# KiCad board 1999_Dodge_Dakota.kicad_pcb (continued)
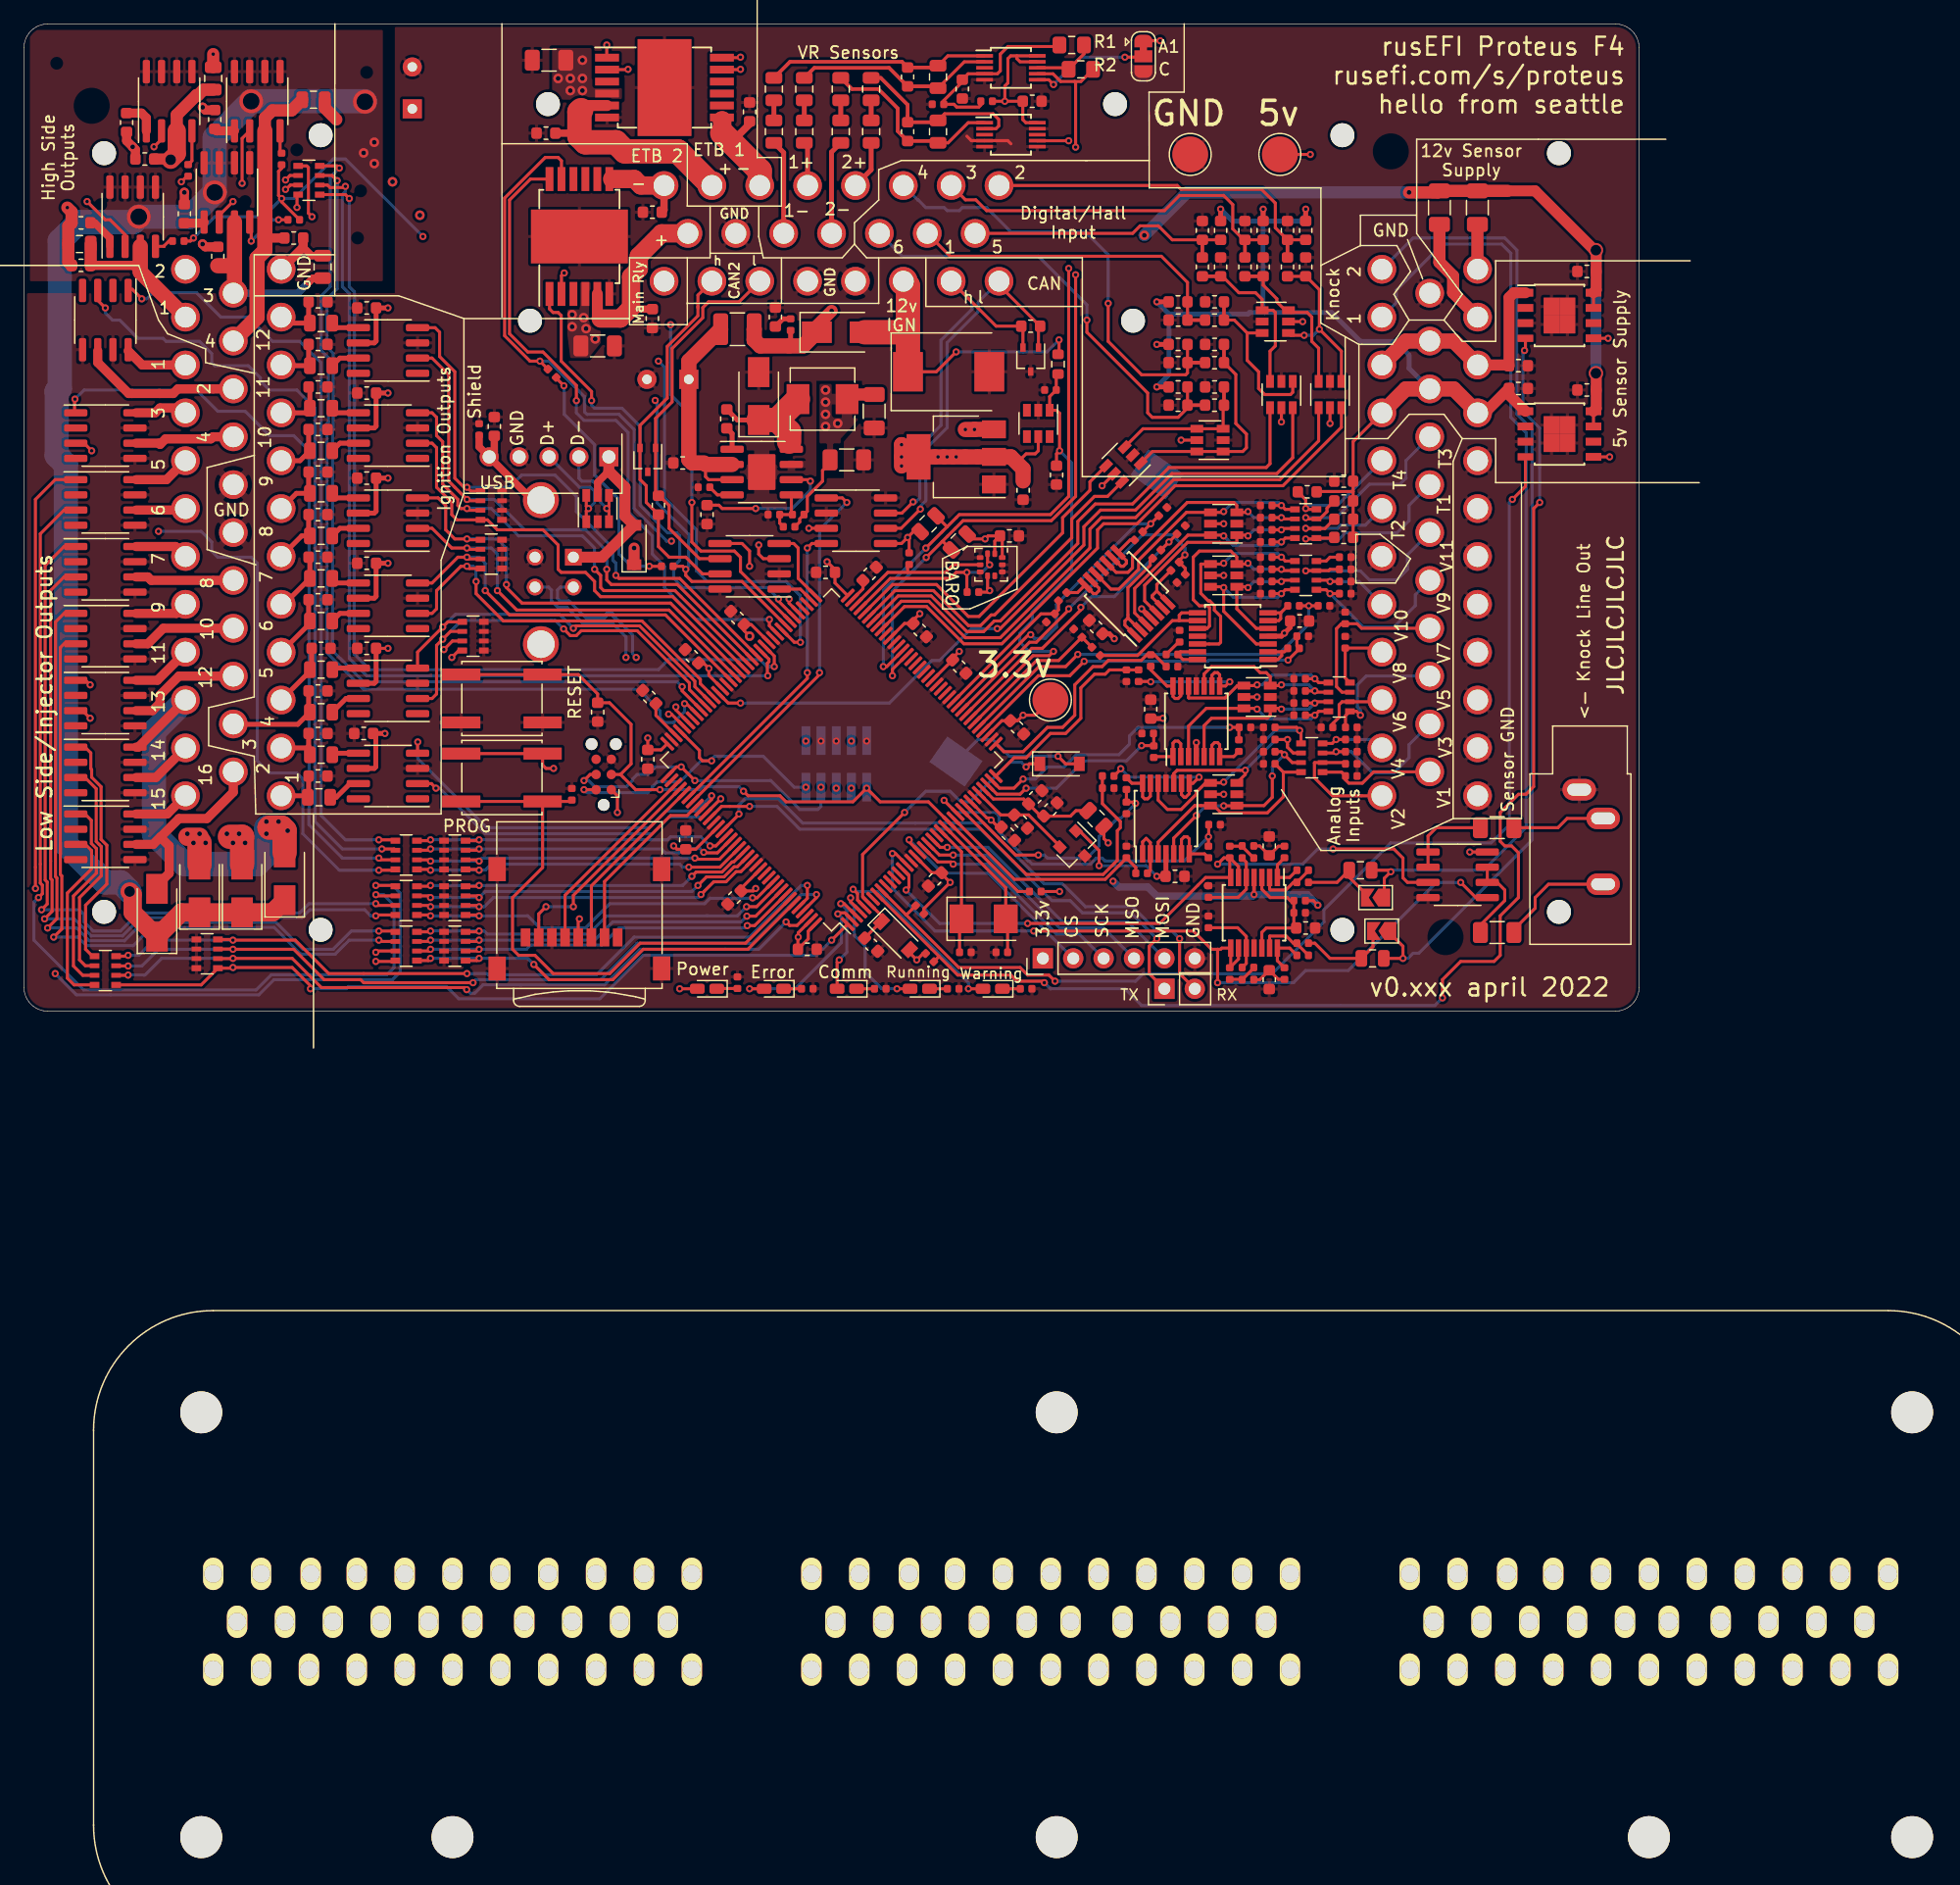
[diagram p0: board, top side]
## Routing (per net, layer and track width the routed paths; a pad name or vN(x,y) marks a point on that pad's centre or on a via; arc(x,y) is an arc through that point) (continued)
  Bottom w0.254: v1(37.03,42.77) 39.32,42.77 41.86,40.23 46.94,40.23 48.71,38.45 v1(48.71,36.92)
/ign3/IN4: length 50.1
  Top w0.254: RN1801.5 37.35,43.46 v1(37.03,43.78) 36.78,43.78 36.01,44.54 36.01,53.43 34.74,54.7 34.74,56.74 34.36,57.12 U1802.4 ; U1501.87 61.2,29.78 54.81,36.16 49.73,36.16 v1(49.48,36.42)
  Bottom w0.254: v1(37.03,43.78) 40.59,43.78 41.6,44.8 44.4,44.8 46.17,43.02 46.17,41.75 49.22,38.7 49.22,37.69 49.48,37.43 v1(49.48,36.42)
/IGN4: length 5.4
  Top w0.406: J102.33 23.9,28.4 R1604.1 24.05,28.69 C1609.1
/IGN5: length 5.4
  Top w0.406: J102.32 23.9,32.4 R1701.1 23.8,32.71 C1702.1
/IGN6: length 5.1
  Top w0.406: J102.31 21.74,34 R1702.1 23.9,37.84 C1703.1
/IGN7: length 4.9
  Top w0.406: C1705.1 23.8,39.82 R1703.1 23.22,39.72 J102.30
/IGN8: length 4.7
  Top w0.406: C1706.1 23.8,43.38 R1704.1 22.77,43.27 J102.29
/IGN9: length 4.6
  Top w0.406: C1802.1 23.8,46.93 R1801.1 23.07,46 J102.28
/IGN10: length 4.4
  Top w0.406: C1803.1 23.9,52.06 R1802.1 23.51,50 J102.27
/IGN11: length 4.2
  Top w0.406: J102.26 21.56,53.94 R1803.1 23.8,54.05 C1805.1
/IGN12: length 4.4
  Top w0.406: C1806.1 23.8,57.6 R1804.1 22,57.5 J102.25
/knock/FILTERED_1: length 57
  Top w0.254: 101.52,11.17 101.52,12.08 C23.2 ; v1(73.73,10.13) 73.97,10.36 73.97,11.35 U1501.14 ; C23.2 100.3,12.82 v1(99.77,12.29) ; C23.2 100.78,11.25 U5.7 98.77,11.17 94.93,7.33 v1(83.89,7.33) ; v1(109.42,13.56) 114.5,13.56 115.26,12.79 115.26,11.14 115.64,10.76 U7.3
  Bottom w0.254: v1(83.89,7.33) 76.53,7.33 v1(73.73,10.13) ; v1(99.77,12.29) 106.88,12.29 108.15,13.56 v1(109.42,13.56)
/knock/FILTERED_2: length 67.9
  Top w0.254: 99.77,5.17 100.02,5.17 100.12,5.27 U5.8 100.87,3.71 C24.2 101.52,4.36 101.52,5.27 ; 99.77,5.17 99.26,5.17 97.74,6.7 v1(84.4,6.7) ; 99.77,5.17 v1(99.77,2.38) ; v1(72.59,13.17) 72.85,13.17 U1501.15 ; v1(120.09,10.76) 121.36,9.49 U7.5
  Bottom w0.254: v1(84.4,6.7) 76.15,6.7 72.59,10.25 v1(72.59,13.17) ; v1(120.09,10.76) 118.06,10.76 110.69,3.4 107.13,3.4 106.12,2.38 v1(99.77,2.38)
/knock/V_mid: length 10.8
  Top w0.254: U5.12 103.47,6.59 103.83,6.95 C1903.2 106.14,7.16 R38.1 R40.1 105.85,9.24 105.59,9.49 104.17,9.49 103.47,10.19 U5.3
/KNOCK_1: length 79.8
  Top w0.254: C1901.2 114.12,11.78 v1(114.25,11.65) 113.7,11.11 JP1.1 113.7,9.71
  Bottom w0.254: J103.34 114.7,59.2 114.7,60.24 118.56,64.1 123.52,64.1 124.28,63.34 124.28,49.62 125.55,48.35 125.55,15.33 121.99,11.78 114.37,11.78 v1(114.25,11.65)
/KNOCK_2: length 81.8
  Top w0.254: C1902.2 v1(115.26,4.41) 115.26,5.43 114.21,6.48 JP2.1
  Bottom w0.254: J103.35 116.11,64.61 123.77,64.61 124.79,63.59 124.79,49.88 126.06,48.61 126.06,14.32 116.58,4.84 116.11,4.84 115.69,4.41 v1(115.26,4.41)
/lowside_quad1/IN1: length 27.9
  Top w0.254: 32.85,14.25 33.91,14.25 v1(33.98,14.32) ; U1501.123 57.84,13.81 v1(57.35,13.81) ; v1(38.05,14.32) 37.98,14.25 RN202.8
  Bottom w0.254: v1(33.98,14.32) v1(38.05,14.32) 53.79,14.32 54.05,14.57 56.59,14.57 v1(57.35,13.81)
/lowside_quad1/IN2: length 28.3
  Top w0.254: v1(56.82,13.28) 56.87,13.23 57.96,13.23 U1501.124 ; v1(33.98,13.56) 33.87,13.45 32.85,13.45 ; RN202.7 37.94,13.45 v1(38.05,13.56)
  Bottom w0.254: v1(56.82,13.28) 56.52,13.58 55.09,13.58 54.74,13.23 53.61,13.23 53.29,13.56 v1(38.05,13.56) v1(33.98,13.56)
/lowside_quad1/IN3: length 28.5
  Top w0.254: 32.85,12.65 33.87,12.65 v1(33.98,12.54) ; U1501.125 58.14,12.7 56.17,12.7 v1(56.08,12.79) ; v1(38.05,12.54) 37.94,12.65 RN202.6
  Bottom w0.254: v1(33.98,12.54) v1(38.05,12.54) 38.3,12.79 v1(56.08,12.79)
/lowside_quad1/IN4: length 29.1
  Top w0.254: v1(55.57,12.03) 58.18,12.03 U1501.126 ; v1(38.05,11.78) 37.98,11.85 RN202.5 ; 32.85,11.85 33.91,11.85 v1(33.98,11.78)
  Bottom w0.254: v1(55.57,12.03) 55.06,12.03 54.81,12.29 39.06,12.29 38.55,11.78 v1(38.05,11.78) v1(33.98,11.78)
/lowside_quad2/IN1: length 29.6
  Top w0.254: U1501.127 59.33,12.47 59.19,12.47 58.35,11.63 56.18,11.63 v1(55.83,11.27) ; 32.85,10.44 33.91,10.44 v1(33.98,10.51) ; v1(38.05,10.51) 37.98,10.44 RN302.8
  Bottom w0.254: v1(55.83,11.27) 55.06,10.51 v1(38.05,10.51) v1(33.98,10.51)
/lowside_quad2/IN2: length 30.3
  Top w0.254: v1(33.98,9.49) 33.84,9.64 32.85,9.64 ; v1(56.33,10.51) 57.05,11.22 58.52,11.22 59.36,12.07 59.63,12.07 U1501.128 ; 36.91,9.64 37.9,9.64 v1(38.05,9.49)
  Bottom w0.254: v1(56.33,10.51) 55.83,10 38.55,10 v1(38.05,9.49) v1(33.98,9.49)
/lowside_quad2/IN3: length 30.8
  Top w0.254: U1501.129 59.93,11.66 59.53,11.66 58.68,10.81 57.65,10.81 v1(56.59,9.75) ; v1(38.05,8.73) 37.94,8.84 RN302.6 ; 32.85,8.84 33.87,8.84 v1(33.98,8.73)
  Bottom w0.254: v1(33.98,8.73) v1(38.05,8.73) 38.47,8.73 39.23,9.49 56.33,9.49 v1(56.59,9.75)
/lowside_quad2/IN4: length 33
  Top w0.254: v1(38.05,7.97) 37.98,8.04 RN302.5 ; 32.85,8.04 33.91,8.04 v1(33.98,7.97) ; v1(60.9,9.47) 61.27,9.47 U1501.134
  Bottom w0.254: v1(33.98,7.97) v1(38.05,7.97) 42.11,7.97 43.13,6.95 46.94,6.95 48.97,8.98 56.9,8.98 57.35,9.44 60.87,9.44 v1(60.9,9.47)
/lowside_quad3/IN1: length 33.1
  Top w0.254: U1501.135 61.24,8.73 v1(60.4,8.73) ; v1(33.98,6.7) 33.91,6.63 32.85,6.63 ; RN402.8 37.98,6.63 v1(38.05,6.7)
  Bottom w0.254: v1(33.98,6.7) v1(38.05,6.7) 38.47,6.7 38.72,6.44 47.19,6.44 48.71,7.97 59.64,7.97 v1(60.4,8.73)
/lowside_quad3/IN2: length 33.4
  Top w0.254: v1(38.05,5.94) 37.94,5.83 RN402.7 ; v1(60.43,7.94) 61.16,7.94 U1501.136 ; 32.85,5.83 33.87,5.83 v1(33.98,5.94)
  Bottom w0.254: v1(33.98,5.94) v1(38.05,5.94) 47.7,5.94 49.22,7.46 59.95,7.46 v1(60.43,7.94)
/lowside_quad3/IN3: length 34
  Top w0.254: 32.85,5.03 33.84,5.03 v1(33.98,5.17) ; v1(60.45,7.15) 61.07,7.15 U1501.137 ; v1(38.05,5.17) 37.9,5.03 RN402.6
  Bottom w0.254: v1(60.45,7.15) 60.26,6.95 49.73,6.95 48.31,5.53 42.36,5.53 42.01,5.17 v1(38.05,5.17) v1(33.98,5.17)
/lowside_quad3/IN4: length 36.2
  Top w0.254: 32.85,4.23 33.8,4.23 v1(33.98,4.41) ; v1(38.05,4.41) 37.86,4.23 RN402.5 ; v1(42.62,3.9) 43.89,2.63 49.22,2.63 51.76,5.17 60.51,5.17 U1501.139
  Bottom w0.254: v1(42.62,3.9) 42.11,4.41 v1(38.05,4.41) v1(33.98,4.41)
/lowside_quad4/IN1: length 66
  Top w0.254: U1501.140 65.48,9.43 v1(65.48,10.51) ; RN501.4 8.64,4.6 v1(8.71,4.67) ; RN502.8 17.41,5.99 v1(17.47,5.94) 22.68,5.94 25.47,3.14 v1(37.03,3.14)
  Bottom w0.254: v1(17.47,5.94) 10.87,5.94 9.6,4.67 v1(8.71,4.67) ; v1(37.03,3.14) 38.71,3.14 38.81,3.04 47.85,3.04 51,6.19 60.65,6.19 64.97,10.51 v1(65.48,10.51)
/lowside_quad4/IN2: length 66.5
  Top w0.254: v1(8.71,3.78) 7.72,3.78 RN501.3 ; U1501.141 66.24,9.49 v1(66.24,9.75) ; RN502.7 17.45,5.19 v1(17.47,5.17) 22.55,5.17 25.09,2.63 28.14,2.63 28.39,2.38 v1(37.54,2.38)
  Bottom w0.254: v1(66.24,9.75) 64.97,9.75 60.91,5.68 51.25,5.68 48.21,2.63 37.79,2.63 v1(37.54,2.38) ; v1(17.47,5.17) 11.25,5.17 9.85,3.78 v1(8.71,3.78)
/lowside_quad4/IN3: length 63.7
  Top w0.254: v1(63.7,7.46) 64,7.16 64.62,7.16 U1501.142 ; v1(8.71,3.02) 8.69,3 RN501.2 ; v1(37.01,1.8) 36.83,1.97 24.86,1.97 22.43,4.41 v1(17.47,4.41) 17.45,4.39 RN502.6
  Bottom w0.254: v1(37.01,1.8) 37.31,1.5 37.68,1.5 38.37,2.2 48.53,2.2 51.51,5.17 61.41,5.17 v1(63.7,7.46) ; v1(17.47,4.41) 11.5,4.41 10.11,3.02 v1(8.71,3.02)
/lowside_quad4/IN4: length 65.7
  Top w0.254: RN501.1 14.82,2.2 RN502.5 17.41,3.59 v1(17.47,3.65) 22.43,3.65 23.95,2.13 v1(23.95,1.87) ; v1(67.51,5.94) 68.85,7.27 U1501.1
  Bottom w0.254: v1(23.95,1.87) 26.94,1.87 27.12,2.05 35.32,2.05 36.34,1.04 48.13,1.04 51.76,4.67 66.24,4.67 v1(67.51,5.94)
/LS1: length 5.3
  Top w0.762: J102.3 9.89,54 8.71,55.18
/LS2: length 13.5
  Top w0.762: 6.17,55.18 6.17,54.2 8.76,51.62 12.48,51.62 12.86,52 J102.15
/LS3: length 4.6
  Top w0.762: 9.38,50 10.97,50 11.38,50.41 13.09,50.41 J102.4
  Bottom w0.305: 13.37,50.13 J102.4
/LS4: length 8.4
  Top w0.762: 9.38,47.46 11.27,47.46 11.38,47.36 11.84,47.83 15.63,47.83 15.8,48 J102.16
/LS5: length 4.8
  Top w0.762: 9.38,44.42 11.92,44.42 J102.5
/LS6: length 4.2
  Top w0.762: J102.6 13.38,41.88 9.38,41.88
  Bottom w0.305: 13.5,42 J102.6
/LS7: length 4.5
  Top w0.762: J102.7 12.67,38.83 9.38,38.83
  Bottom w0.305: 13.44,37.94 J102.7
/LS8: length 8.2
  Top w0.762: J102.19 10.64,36 10.35,36.29 9.38,36.29
/LS9: length 4.4
  Top w0.762: J102.8 12.74,33.24 9.38,33.24
/LS10: length 8.7
  Top w0.762: J102.20 11.65,32 10.35,30.7 9.38,30.7
/LS11: length 5.1
  Top w0.762: J102.9 11.15,27.65 9.38,27.65
/LS12: length 9.7
  Top w0.762: J102.21 12.95,28 11.38,26.42 11.38,25.75 10.74,25.11 9.38,25.11
/LS13: length 35.3
  Top w0.762: J102.10 9.56,22.06 9.38,22.06
  Top w2.032: 20.52,15.33 21.54,15.33 21.79,15.08 D103.2
  Bottom w2.032: 21.28,15.33 20.27,15.33 20.27,13.05 19.5,12.29 13.41,12.29 10.87,14.83 10.87,23.37 J102.10
  vias: v2(20.27,15.84) v2(20.27,14.83) v2(21.28,15.84) v2(22.04,15.08)
/LS14: length 19.1
  Top w0.762: J102.11 11.02,19.52 9.38,19.52
  Top w1.524: 14.68,14.57 13.66,14.57
  Top w2.032: D101.2 14.68,14.06
  In2.Cu w2.032: J102.11 13.22,22 10.87,19.65 10.87,16.86 13.15,14.57 14.68,14.57
  vias: v2(13.66,14.83) v2(14.17,14.06) v2(14.68,14.83) v2(15.19,14.06)
/LS15: length 15.5
  Top w0.762: J102.12 11.98,16.48 9.38,16.48
  Top w2.032: D104.2 18.23,14.57 17.22,14.57
  In2.Cu w2.032: 18.23,14.57 17.22,14.57 17.22,15.84 15.95,17.11 14.39,17.11 J102.12
  Bottom w0.305: J102.12 13.5,17.68
  Bottom w0.762: 13.66,17.84 J102.12
  vias: v2(16.96,14.83) v2(17.47,14.06) v2(17.98,14.83) v2(18.49,14.06)
/LS16: length 16.7
  Top w0.762: 11.4,14.54 12.14,13.81 12.14,11.52 11.12,10.51 D102.2 ; 11.4,14.54 10.8,13.94 9.38,13.94 ; 11.4,14.54 12.96,16.1 15.29,16.1 17.5,18.3 J102.23
/mcu/AT1: length 24.9
  Top w0.254: R25.1 v1(95.7,39.21) R29.2 ; v1(88.34,33.75) 88.34,33.54 85.12,30.32 84.24,30.32 U1501.44
  Bottom w0.254: v1(95.7,39.21) 91.13,34.64 89.23,34.64 v1(88.34,33.75)
/mcu/AT2: length 27.8
  Top w0.254: v1(97.04,38.13) 96.55,37.65 R26.1 97.06,37.01 R30.2 ; U1501.45 84.05,30.83 84.61,30.83 87.32,33.54 v1(87.32,33.62)
  Bottom w0.254: v1(97.04,38.13) 97.04,38.74 95.98,39.79 93.49,39.79 v1(87.32,33.62)
/mcu/AT3: length 25.7
  Top w0.254: R27.1 v1(94.18,40.73) R31.2 ; v1(84.15,31.46) 83.97,31.46 U1501.46
  Bottom w0.254: v1(84.15,31.46) 84.45,31.16 85.37,31.16 86.31,32.1 86.31,34 93.04,40.73 v1(94.18,40.73)
/mcu/AT4: length 12.7
  Top w0.254: R28.1 86.47,33.53 R32.2 85.01,33.2 U1501.47
/mcu/AUX_SPI_CS: length 19.2
  Top w0.254: v1(73.99,14.32) 73.99,14.16 U1501.18
  Bottom w0.254: J1505.2 80.59,11.52 76.78,11.52 v1(73.99,14.32)
/mcu/AUX_SPI_MISO: length 21.2
  Top w0.254: v1(77.67,13.05) 76.51,13.05 U1501.20
  Bottom w0.254: v1(77.67,13.05) 80.46,13.05 86.56,6.95 90.24,6.95 J1505.4
/mcu/AUX_SPI_MOSI: length 23.5
  Top w0.254: U1501.21 76.58,13.69 v1(77.17,13.69)
  Bottom w0.254: v1(77.17,13.69) 80.58,13.69 86.81,7.46 92.28,7.46 J1505.5
/mcu/AUX_SPI_SCK: length 18.8
  Top w0.254: v1(77.67,12.29) 77.49,12.47 76.38,12.47 U1501.19
  Bottom w0.254: J1505.3 88.21,6.44 86.31,6.44 80.46,12.29 v1(77.67,12.29)
/mcu/BARO_SCL: length 15
  Top w0.254: R41.2 78.81,35.04 v1(78.81,36.67) 77.92,36.67 77.42,36.16 72.41,36.16 U1501.69 ; U9.2 80.55,37.48 v1(80.72,37.3)
  Bottom w0.254: v1(78.81,36.67) 80.08,36.67 v1(80.72,37.3)
/mcu/BARO_SDA: length 12.4
  Top w0.254: U1501.70 72.21,36.67 73.86,36.67 ; 73.86,36.67 73.86,37.2 R39.2 ; 73.86,36.67 77.03,36.67 77.67,37.3 U9.4
/mcu/BOOT0: length 49.3
  Top w0.254: SW1502.1 SW1502.1 ; SW1502.1 43.35,12 40.84,9.49 40.84,5.17 41.35,4.67 42.71,4.67 44.24,3.14 48.97,3.14 51.51,5.68 60.31,5.68 U1501.138 ; SW1502.1 45.67,17.52 R1513.1
/mcu/CAN2_RX: length 6.3
  Top w0.254: U1501.73 66.15,34.73 64.72,36.16 64.72,38.7 64.33,39.08 U6.4
/mcu/CAN2_TX: length 3
  Top w0.254: U1501.74 64.89,35.27 U6.1
/mcu/CAN_RX: length 26.7
  Top w0.254: v1(65.48,38.7) 65.86,39.08 U904.4 ; v1(65.48,28.29) 65.48,27.82 U1501.114
  Bottom w0.254: v1(65.48,38.7) v1(65.48,28.29)
/mcu/CAN_TX: length 32.2
  Top w0.254: U904.1 68.4,42.89 v1(68.78,42.51) ; v1(66.49,28.29) 66.49,28.13 U1501.115
  Bottom w0.254: v1(68.78,42.51) 66.49,40.23 v1(66.49,28.29)
/mcu/DIGITAL1: length 61.9
  Top w0.254: v1(59.89,25.75) 58.86,25.75 U1501.96 ; v1(81.35,31.97) 81.61,31.97 88.59,38.96 88.59,40.48 89.99,41.88 92.91,41.88 95.96,44.92 104.72,44.92 106.05,46.26 106.05,50.43
  Bottom w0.254: v1(59.89,25.75) 72.34,25.75 75.89,29.3 76.53,29.3 79.19,31.97 v1(81.35,31.97)
/mcu/DIGITAL2: length 50.5
  Top w0.254: U1207.6 110.12,48.8 105.23,43.91 96.21,43.91 93.04,40.73 90.24,40.73 89.73,40.23 89.73,38.7 81.73,30.7 78.56,30.7 75.45,33.81 73.59,33.81 U1501.64
/mcu/DIGITAL3: length 49.5
  Top w0.254: U1207.4 108.22,47.66 104.98,44.42 96.08,44.42 92.91,41.24 90.05,41.24 89.1,40.29 89.1,38.7 81.61,31.21 78.69,31.21 75.64,34.26 73.33,34.26 U1501.65
/mcu/DIGITAL4: length 29.2
  Top w0.254: 70.62,32.99 U1501.67 72.81,35.15 76.02,35.15 78.94,32.22 79.96,32.22 80.84,33.11 81.13,33.11 87.58,39.56 87.58,41.11 89.48,43.02 90.57,43.02 U1208.6
/mcu/DIGITAL5: length 46.9
  Top w0.254: U1501.66 73.07,34.7 75.83,34.7 78.81,31.72 80.21,31.72 81.1,32.61 81.61,32.61 88.08,39.08 88.08,40.92 89.54,42.38 92.66,42.38 95.7,45.43 103.83,45.43 104.15,45.75 U1202.4
/mcu/DIGITAL6: length 28.6
  Top w0.254: U1208.4 89.1,44.24 89.1,43.53 86.81,41.24 86.81,39.97 79.83,32.99 78.94,32.99 76.27,35.65 72.61,35.65 U1501.68
/mcu/LED1: length 14.5
  Top w0.254: v1(68.03,8.13) 68.12,8.22 68.61,8.22 U1501.2 ; D1504.2 v1(60.65,1.87)
  Bottom w0.254: v1(68.03,8.13) 68.33,7.83 68.33,5.74 64.46,1.87 v1(60.65,1.87)
/mcu/LED2: length 9.4
  Top w0.254: U1501.3 68.56,8.98 v1(68.27,8.98) ; D1505.2 67.97,4.11 v1(68.14,4.28)
  Bottom w0.254: v1(68.14,4.28) 68.78,4.92 68.78,8.48 v1(68.27,8.98)
/mcu/LED3: length 12.5
  Top w0.254: D1506.2 v1(72.97,1.87) ; U1501.4 69.1,9.15 v1(69.1,9.47)
  Bottom w0.254: v1(72.97,1.87) 71.7,1.87 70.3,3.27 70.3,5.43 69.42,6.32 69.42,8.72 69.1,9.04 v1(69.1,9.47)
/mcu/LED4: length 16.5
  Top w0.254: v1(69.31,10.19) 69.67,9.82 69.67,9.28 U1501.5 ; v1(78.94,1.87) D1507.2
  Bottom w0.254: v1(69.31,10.19) 69.5,10 71.32,10 78.94,2.38 v1(78.94,1.87)
/mcu/nRESET: length 61.1
  Top w0.254: 49.86,19.78 51.13,18.51 v1(53.16,18.51) ; 49.86,19.78 J4.3 ; 49.86,19.78 50.75,20.67 50.75,23.97 48.94,25.77 C1517.2 47.95,26.51 46.33,28.13 SW1501.1 SW1501.1 ; R1502.1 83.1,10 U1501.25 75.6,17.49 71.57,17.49 v1(70.43,18.64) 69.29,17.49 63.7,17.49 63.19,18 60.53,18 v1(60.14,18.38)
  Bottom w0.254: v1(60.14,18.38) 59.76,18.76 56.72,18.76 56.46,18.51 v1(53.16,18.51) ; J1502.10 v1(70.43,18.64)
/mcu/SD_CS: length 15
  Top w0.254: 48.53,6.16 48.53,10.83 54.05,16.35 55.43,16.35 U1501.116
/mcu/SD_MISO: length 18.7
  Top w0.254: v1(45.92,8.73) 45.92,9.67 U1501.112 ; v1(43.63,8.73) 43.03,8.12 43.03,6.16
  Bottom w0.254: v1(43.63,8.73) v1(45.92,8.73)
/mcu/SD_MOSI: length 15.3
  Top w0.254: U1501.113 47.43,10.47 J1.3
/mcu/SD_SCK: length 16.6
  Top w0.254: U1501.111 45.23,9.69 J1.5
/mcu/SWCLK: length 26.7
  Top w0.254: U1501.109 54.54,20.41 v1(54.94,20.41) v1(56.08,19.27) ; v1(46.81,19.27) 47.32,19.78 J4.4
  Bottom w0.254: v1(54.94,20.41) 52.78,20.41 52.14,19.78 51.25,19.78 50.87,19.4 50.87,19.27 50.36,18.76 47.7,18.76 47.19,19.27 v1(46.81,19.27) ; v1(66.62,18.72) 66.62,17.11 66.37,16.86 64.84,16.86 62.43,19.27 v1(56.08,19.27)
/mcu/SWDIO: length 26.2
  Top w0.254: v1(57.48,20.92) 56.72,20.92 56.46,21.18 56.46,21.79 U1501.105 54.83,23.44 ; J4.2 v1(46.81,18.51)
  Bottom w0.254: v1(46.81,18.51) 47.06,18.25 52.14,18.25 52.52,18.64 52.52,18.76 52.91,19.14 54.81,19.14 56.59,20.92 v1(57.48,20.92) 57.48,21.05 57.73,21.3 61.8,21.3 64.38,18.72 v1(65.35,18.72)
/mcu/UART_RX: length 49.4
  Top w0.254: v1(59.76,16.48) 59.76,16.44 U1501.122 ; v1(96.59,6.06) 96.59,3.14 J2.2
  Bottom w0.254: v1(96.59,6.06) 95.96,6.7 94.69,6.7 92.66,8.73 88.72,8.73 86.81,10.63 85.29,10.63 80.21,15.71 65.1,15.71 63.06,17.75 60.27,17.75 59.76,17.24 v1(59.76,16.48)
/mcu/UART_TX: length 47.4
  Top w0.254: v1(94.69,6.06) 94.05,5.43 94.05,3.14 J2.1 ; v1(60.65,17.11) 58.31,17.11 U1501.119
  Bottom w0.254: v1(94.69,6.06) 92.53,8.22 88.47,8.22 87.45,9.24 85.92,9.24 79.96,15.21 64.84,15.21 62.94,17.11 v1(60.65,17.11)
/mcu/VR_1: length 69
  Top w0.254: U1501.58 72.59,28.56 v3(72.59,28.03) ; v3(87.9,72.21) 87.9,77.62 87.83,77.69 ; 87.83,77.69 86.66,77.69 86.01,78.33 U1203.7 ; 87.83,77.69 88.35,77.69 R1220.1 ; R1215.2 76.82,39.24 76.75,39.24 ; 76.75,39.24 78.49,40.99 85.86,40.99 87.9,43.02 v3(87.9,61.54) ; 76.75,39.24 v3(75.41,37.91)
  In1.Cu w0.254: v3(87.9,61.54) v3(87.9,72.21)
  Bottom w0.254: v3(72.59,28.03) 72.59,35.09 v3(75.41,37.91)
/mcu/VR_2: length 60.9
  Top w0.254: 77.16,40.48 78.18,41.5 85.8,41.5 87.32,43.02 v3(87.32,62.07) ; 77.16,40.48 77.15,40.48 R1216.2 ; 77.16,40.48 v3(75.38,38.7) ; U1204.7 84.7,72.74 v3(87.32,72.74) ; U1501.59 72.11,28.8 v3(71.83,28.8)
  In1.Cu w0.254: v3(87.32,62.07) v3(87.32,72.74)
  Bottom w0.254: v3(71.83,28.8) 71.83,35.15 v3(75.38,38.7)
/quad_analog3/IN4: length 2.1
  Top w0.254: R904.1 109.17,37.94 108.84,37.62 RN901.4
/quad_analog3/OUT4: length 1.6
  Top w0.254: R24.2 96.51,30.85 R20.1 ; 96.47,30.85 96.47,30.8
/USB_D+: length 38.9
  Top w0.2: U1501.104 55.22,23.77
  Top w0.254: U1502.1 47,41.82 v3(47.19,42) 47,42.19 U1502.6 ; v3(53.88,24.82) 54.13,24.82 55.18,23.77 U1501.104
  In1.Cu w0.254: v3(47.19,42) 47.7,41.5 47.7,40.59 47.21,40.1 44.67,40.1 44.07,39.49 44.07,36.79 J1501.3 ; v3(50.32,29.56) 50.49,29.38 50.49,28.46 53.88,25.07 v3(53.88,24.82)
  Bottom w0.254: J1501.3 43.85,35.44 44.09,35.2 44.09,34.28 44.6,33.77 45.36,33.77 46.78,32.35 49.24,32.35 50.32,31.28 v3(50.32,29.56) ; v3(47.19,42) 47.7,42.51 47.7,43.42 47.34,43.78 46.43,43.78 J1504.3
/USB_D-: length 38.2
  Top w0.2: U1501.103 55.54,24.08
  Top w0.254: U1502.4 48.9,42.19 v3(48.71,42) 48.9,41.82 U1502.3 ; U1501.103 55.54,24.13 54.49,25.18 v3(54.49,25.42)
  In1.Cu w0.254: J1501.2 44.57,36.79 44.57,39.28 44.88,39.59 47.42,39.59 48.21,40.37 48.21,41.5 v3(48.71,42) ; v3(51.17,29.56) 51,29.38 51,28.67 54.24,25.42 v3(54.49,25.42)
  Bottom w0.254: v3(51.17,29.56) 50.87,29.86 50.87,31.44 49.45,32.86 49.41,32.87 49.36,32.88 49.32,32.91 49.29,32.94 49.26,32.98 49.25,33.02 49.24,33.12 49.22,33.16 49.2,33.2 49.16,33.24 49.12,33.26 49.08,33.28 49.03,33.28 48.85,33.28 48.81,33.28 48.76,33.26 48.72,33.24 48.69,33.2 48.66,33.16 48.65,33.12 48.64,33.02 48.62,32.98 48.6,32.94 48.56,32.91 48.52,32.88 48.48,32.87 48.43,32.86 46.99,32.86 45.57,34.28 44.81,34.28 44.6,34.49 44.6,35.2 44.84,35.44 J1501.2 ; v3(48.71,42) 48.21,42.51 48.21,43.63 47.55,44.29 46.64,44.29 46.39,44.54 J1504.2
/USB_SHIELD: length 23.9
  Top w0.254: 43.86,30.07 43.42,30.07
  Top w0.61: C1516.1 39.32,46.75 J1504.5 ; R1501.1 38.05,47.16 J1504.5 ; J1504.5 42.5,42.71 J1501.5
  In1.Cu w0.762: J1501.5 41.35,32.53 41.35,40.85 J1501.5
/VR1+: length 3.7
  Top w0.406: R1205.2 65.5,72.29 J101.5
/VR1-: length 7.9
  Top w0.406: J101.13 63.5,71.75 R1208.2
/VR2+: length 4.1
  Top w0.406: R1210.2 70.81,70.31 J101.4
/VR2-: length 7.9
  Top w0.406: J101.12 67.5,71.79 R1213.2
Net-(BT1-Pad1): length 11.9
  Top w0.254: v1(86.43,21.3) 87.07,20.67 D3.2
  Bottom w0.254: v1(86.43,21.3) 82.37,21.3 80.97,22.7 79.74,22.7 BT1.1
Net-(C1-Pad1): length 18
  Top w0.254: U701.3 94.8,14.12 97.85,17.18 U1.6 99.45,17.18 100.05,16.57 103.93,16.57 105.26,17.91 105.26,19.98 ; 105.26,19.98 RN701.8 ; 105.26,19.98 C1.1
Net-(C2-Pad1): length 18
  Top w0.254: U1.1 101.87,17.18 ; U1.1 101.36,17.16 v1(100.28,17.16) ; U1.1 103.64,17.18 104.34,17.87 v1(104.34,19.65) ; RN701.7 106.01,20.78 v1(105.36,21.43) 105.1,21.68 C2.1 ; U701.5 96.1,14.46 v1(97.99,16.35)
  Bottom w0.254: v1(104.34,19.65) 104.34,20.41 v1(105.36,21.43) ; v1(100.28,17.16) 98.8,17.16 v1(97.99,16.35)
Net-(C3-Pad1): length 15.9
  Top w0.254: U701.10 96.1,19.85 96.38,20.13 v1(102.08,20.13) 102.08,19.78 101.38,19.08 ; C3.1 v1(105.61,22.7) 105.61,22.05 106.09,21.58 RN701.6
  Bottom w0.254: v1(102.08,20.13) 104.65,22.7 v1(105.61,22.7)
Net-(C4-Pad1): length 19.7
  Top w0.254: C4.1 106.37,23.72 v1(106.63,23.46) 106.74,23.35 RN701.5 ; U701.12 94.8,17.63 95.58,16.86 96.72,16.86 97.99,18.13 97.99,18.3 98.77,19.08 100.21,19.08 v1(100.28,19.14)
  Bottom w0.254: v1(100.28,19.14) 104.59,23.46 v1(106.63,23.46)
Net-(C5-Pad1): length 16.3
  Top w0.254: RN801.8 108.22,25.06 v1(107.9,24.73) C5.1 ; U801.3 97.34,23.83 98.82,25.31 U2.6 103,25.31 v1(103.07,25.24)
  Bottom w0.254: v1(107.9,24.73) 107.6,24.43 103.88,24.43 v1(103.07,25.24)
Net-(C6-Pad1): length 15
  Top w0.254: v1(105.1,25.24) 105.04,25.31 U2.1 104.17,24.73 103.92,24.48 99.26,24.48 98.64,23.86 U801.5 ; RN801.7 108,25.86 v1(107.9,25.75) C6.1
  Bottom w0.254: v1(105.1,25.24) 107.39,25.24 v1(107.9,25.75)
Net-(C7-Pad1): length 13.8
  Top w0.254: C7.1 v1(107.9,26.76) 108,26.66 RN801.6 ; U801.10 98.64,28.18 99.26,28.8 102.82,28.8 103.32,28.29 103.83,28.29 104.17,27.95 104.17,27.21 105.04,27.21 v1(105.1,27.27)
  Bottom w0.254: v1(105.1,27.27) 107.39,27.27 v1(107.9,26.76)
Net-(C8-Pad1): length 14.5
  Top w0.254: v1(103.07,27.27) 103,27.21 101.42,27.21 100.39,26.17 97.37,26.17 97.34,26.19 U801.12 ; C8.1 v1(107.9,27.78) 108.22,27.46 RN801.5
  Bottom w0.254: v1(103.07,27.27) 103.49,27.27 104.3,28.08 107.6,28.08 v1(107.9,27.78)
Net-(C9-Pad1): length 15.3
  Top w0.254: C9.1 v1(105.1,34.89) 105.43,35.22 RN901.8 ; 103.99,30.69 103.01,30.69 100.28,33.42 v1(100.28,35.4) 100.21,35.47 U3.6
  Bottom w0.254: v1(100.28,35.4) 101.08,34.59 104.8,34.59 v1(105.1,34.89)
Net-(C10-Pad1): length 11.1
  Top w0.254: v1(102.31,35.4) 102.24,35.47 U3.1 101.38,33.62 103.01,31.99 103.99,31.99 ; C10.1 v1(105.1,35.91) 105.21,36.02 RN901.7
  Bottom w0.254: v1(105.1,35.91) 102.82,35.91 v1(102.31,35.4)
Net-(C11-Pad1): length 18.4
  Top w0.254: v1(102.31,37.43) 102.24,37.37 U3.3 101.38,37.94 100.87,38.45 98.24,38.45 97.74,37.94 97.74,34.38 98.24,33.88 98.95,33.88 99.09,33.73 99.09,32.19 98.89,31.99 98.09,31.99 ; RN901.6 105.21,36.82 v1(105.1,36.92) C11.1
  Bottom w0.254: v1(102.31,37.43) 102.82,36.92 v1(105.1,36.92)
Net-(C12-Pad1): length 18.5
  Top w0.254: v1(100.28,37.43) 100.21,37.37 U3.4 98.39,37.37 98.37,37.34 98.37,34.92 99,34.28 99.12,34.28 99.5,33.9 99.5,33.51 100.02,32.99 100.02,30.83 99.88,30.69 U901.12 ; C12.1 v1(105.1,37.94) 105.43,37.62 RN901.5
  Bottom w0.254: v1(100.28,37.43) 101.08,38.24 104.8,38.24 v1(105.1,37.94)
Net-(C13-Pad1): length 20
  Top w0.254: U4.6 99.19,39.78 ; U4.6 100.21,39.78 v1(100.28,39.72) ; U4.6 97.29,39.78 92.84,35.33 92.84,33.28 U1101.3 ; C13.1 v1(105.1,39.21) 105.43,39.53 RN1101.8
  Bottom w0.254: v1(105.1,39.21) 104.8,38.91 101.08,38.91 v1(100.28,39.72)
Net-(C14-Pad1): length 18.5
  Top w0.254: C14.1 v1(105.1,40.23) 105.21,40.33 RN1101.7 ; v1(102.31,39.72) 102.24,39.78 U4.1 101.38,39.2 101.31,39.14 100,39.14 99.96,39.18 97.26,39.18 93.67,35.59 93.67,34.29 U1101.5
  Bottom w0.254: v1(102.31,39.72) 102.82,40.23 v1(105.1,40.23)
Net-(C15-Pad1): length 20.7
  Top w0.254: v1(102.31,41.75) 102.24,41.68 U4.3 101.38,42.26 101.13,42.51 97.23,42.51 92.66,37.94 92.66,37.05 92.28,36.67 91.29,36.67 U1101.10 ; RN1101.6 105.21,41.13 v1(105.1,41.24) C15.1
  Bottom w0.254: v1(105.1,41.24) 102.82,41.24 v1(102.31,41.75)
Net-(C16-Pad1): length 21.7
  Top w0.254: v1(100.28,41.75) 100.21,41.68 U4.4 ; U4.4 99.07,41.68 ; U4.4 97.16,41.68 93.16,37.69 93.16,36.92 91.51,35.27 90.85,35.27 U1101.12 ; C16.1 v1(105.1,42.26) 105.43,41.93 RN1101.5
  Bottom w0.254: v1(100.28,41.75) 101.04,42.51 104.85,42.51 v1(105.1,42.26)
Net-(C18-Pad1): length 9.8
  Top w0.254: J3.R 127.43,10.61 126.31,9.49 126.31,8.6 124.54,6.83 C18.1
Net-(C18-Pad2): length 7.4
  Top w0.254: C18.2 121.74,7.2 123.77,9.24 123.77,10.13 123.14,10.76 U7.6 U7.7
Net-(C19-Pad1): length 7.8
  Top w0.254: C19.1 128.22,15.33 128.99,16.11 J3.T
Net-(C19-Pad2): length 7.3
  Top w0.254: U7.2 U7.1 117.36,14.64 118.06,15.33 C19.2
Net-(C21-Pad2): length 3.2
  Top w0.254: R42.1 104.85,13.79 C21.2 103.3,13.81 R44.2
Net-(C22-Pad2): length 3.2
  Top w0.254: R43.1 104.85,2.66 C22.2 103.3,2.63 R45.2
Net-(C23-Pad1): length 2.5
  Top w0.254: R46.2 101.82,13.76 R44.1 101.8,13.79 C23.1
Net-(C24-Pad1): length 2.5
  Top w0.254: R47.2 102.79,3.6 R45.1 101.8,2.66 C24.1
Net-(C25-Pad2): length 6.2
  Top w0.254: C25.2 101.49,9.52 102.17,10.19 U5.5 102.17,12.45 R46.1 101.8,12.82
Net-(C26-Pad2): length 6.2
  Top w0.254: C26.2 101.44,6.97 102.17,6.25 U5.10 102.17,3.99 R47.1
Net-(C30-Pad1): length 27.3
  Top w0.254: v1(73.61,16.6) 70.1,13.1 70.1,9.56 U1501.6 71.68,7.98 D4.1 71.64,7.48 C30.1 ; v1(83.77,20.41) 84.02,20.67 D3.1
  Bottom w0.254: v1(73.61,16.6) 75.38,18.38 77.42,18.38 78.31,17.49 79.07,17.49 82.37,20.8 83.39,20.8 v1(83.77,20.41)
Net-(C902-Pad1): length 11.8
  Top w0.254: v1(65.73,44.29) 65.61,44.42 U903.6 ; v1(61.16,42) 58.37,42 58.09,42.28 C902.1
  Bottom w0.254: v1(65.73,44.29) 65.73,43.53 64.21,42 v1(61.16,42)
Net-(C904-Pad1): length 2.1
  Top w0.406: 59.1,47.05 U903.1 59.19,48.26 C904.1
Net-(C904-Pad2): length 9.3
  Top w0.406: C904.2 59.63,49.4 D901.1
  Top w2.032: D901.1 62.95,49.4 ; 62.95,49.4 63.95,48.4 63.95,47.59 ; 62.95,49.4 L1001.1
Net-(C905-Pad2): length 3.9
  Top w0.254: C905.2 63.17,40.78 R907.1 R908.1 64.14,41.58 U903.5
Net-(C1001-Pad1): length 19.1
  Top w0.254: 56.84,45.81 56.97,45.69 56.97,44.67 57.22,44.42 U903.3
  Top w1.27: 58.24,56.99 55.57,54.33 C1001.1 55.57,46.09 C1002.1 56.84,45.81 ; 56.97,45.69 U903.2
